# Altium PCB LAY-94611_B.PcbDoc (part 13 of 16)
Units mil, origin at the board's own origin, x right, y up, seen from the top; angles counter-clockwise.
Board outline 4133.86 x 2559.05 mil, 10 copper layers (TOP, GND02, ART03, PWR04, PWR05, ART06, GND7, ART08, GND09, BOTTOM), stack 57.82 mil thick; 1104 components, 727 nets, 3774 pads, 1630 vias.
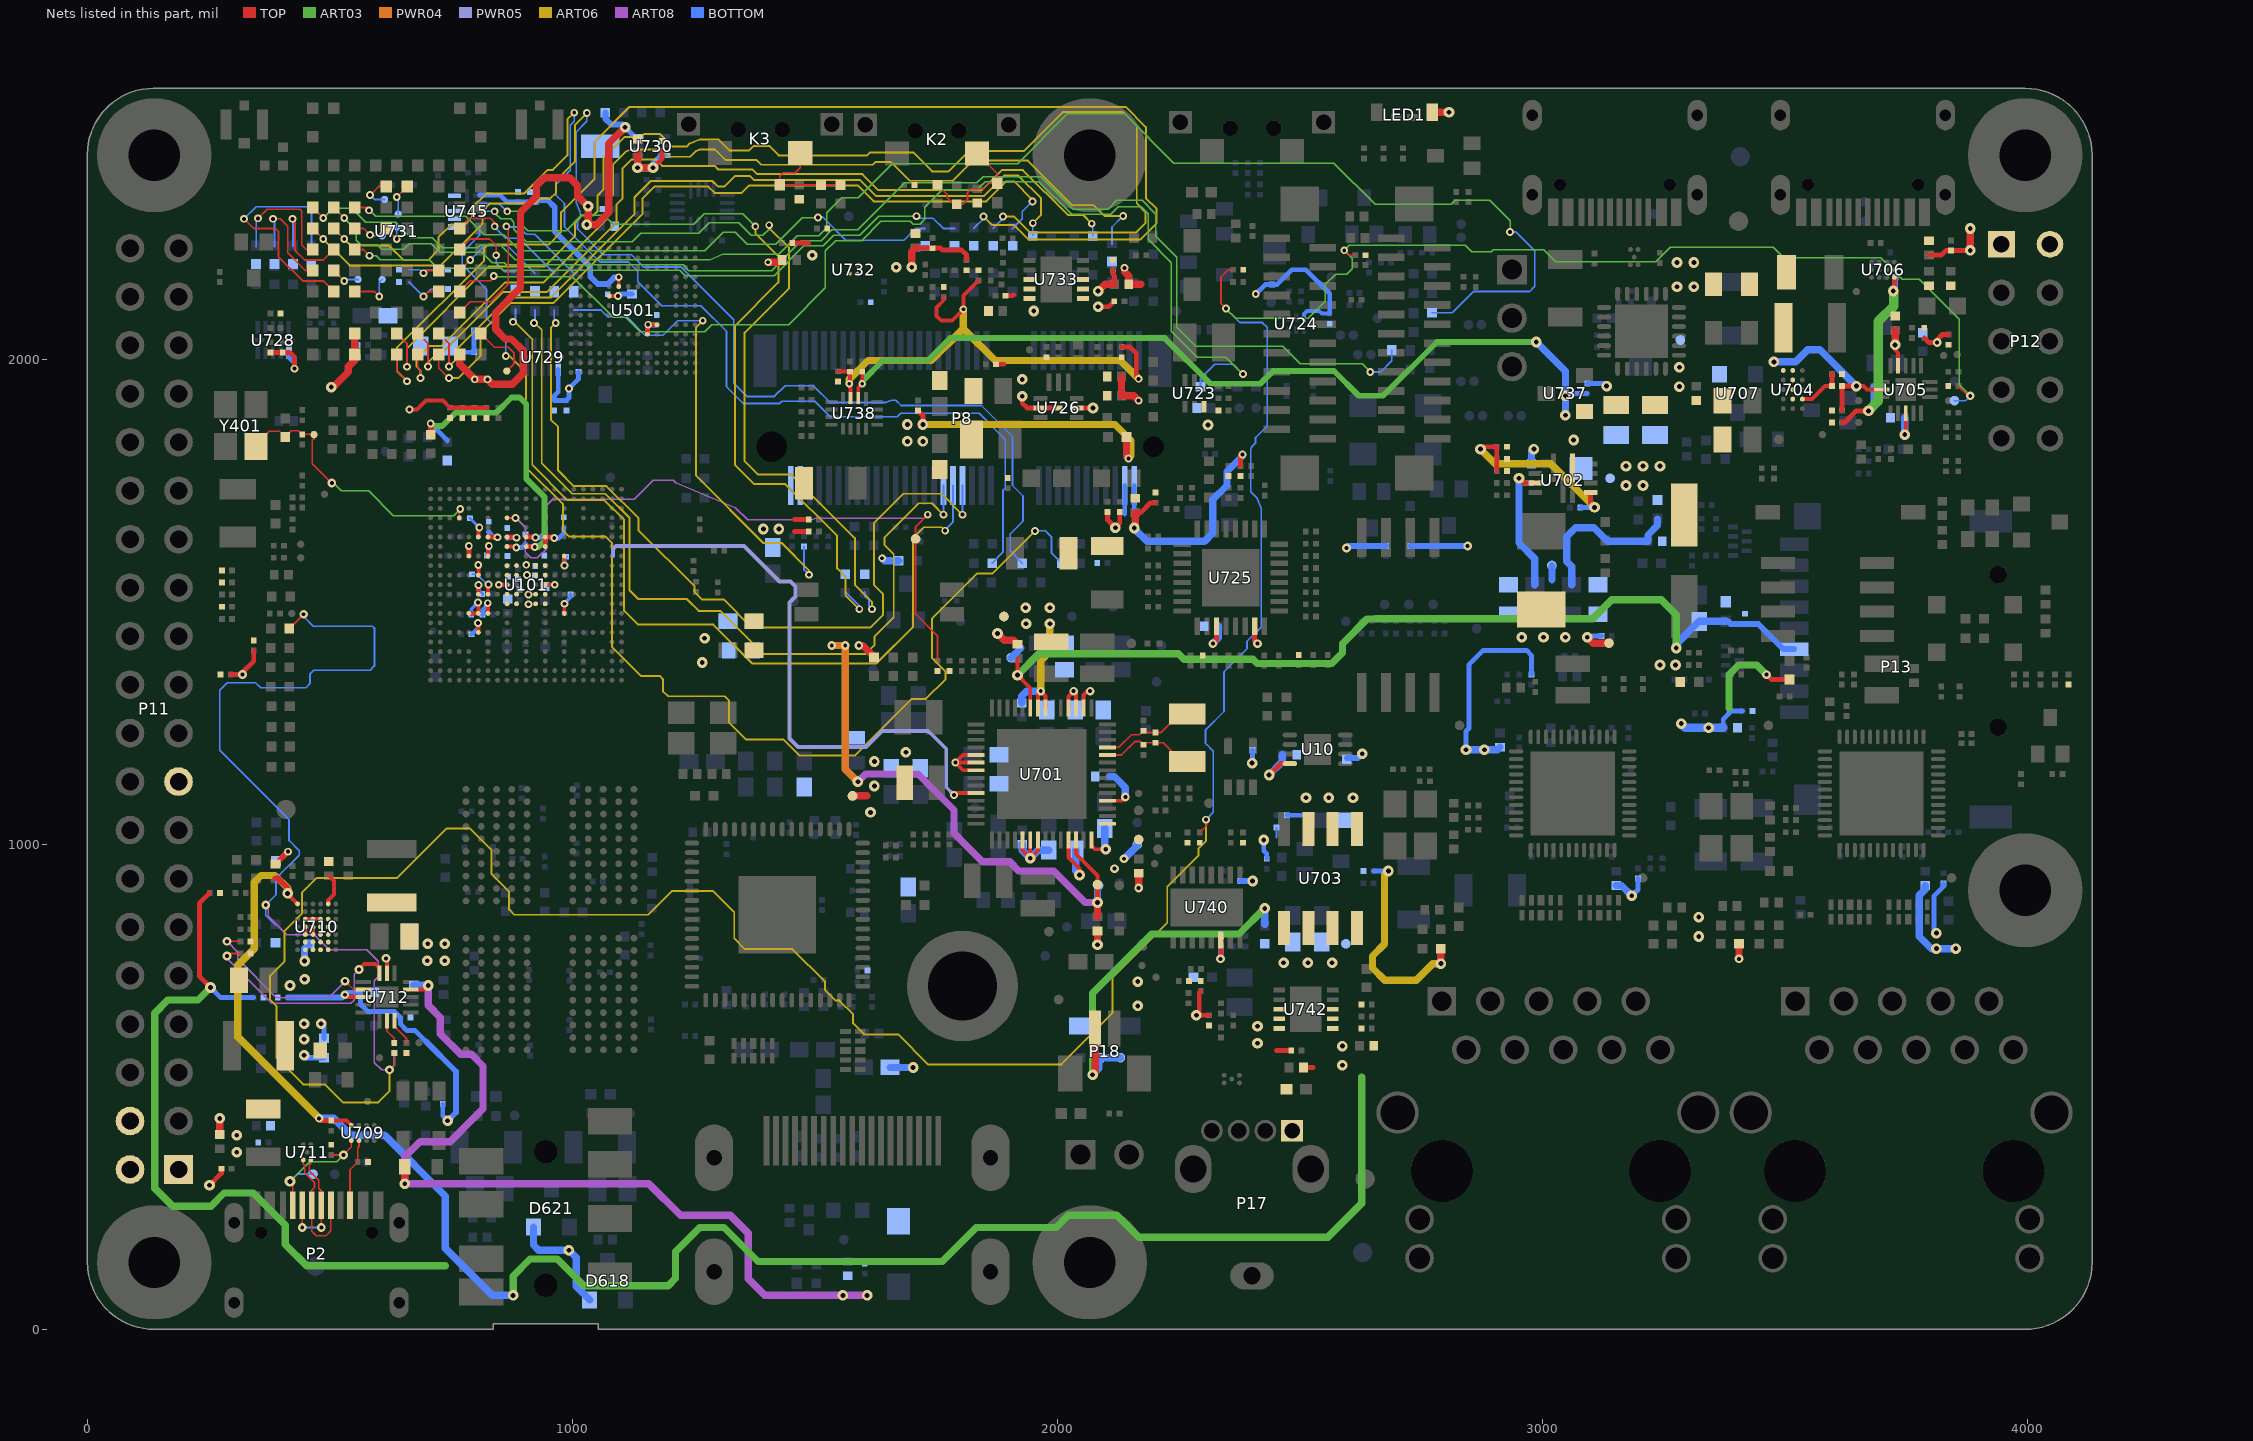
[diagram p21: the nets of this part, all layers, seen from the top]

## Via types
v1: diameter 16/16/0/0/0/0/16/0/16/16 (per signal layer), hole 8, TOP to BOTTOM, tented both sides, 177 vias
v2: diameter 22/22/0/0/0/0/22/0/22/22 (per signal layer), hole 10, TOP to BOTTOM, tented both sides, 156 vias
v3: diameter 16/0/16/0/0/0/0/0/0/16 (per signal layer), hole 8, TOP to BOTTOM, tented both sides, 137 vias
v4: diameter 16/0/0/0/0/16/0/0/0/16 (per signal layer), hole 8, TOP to BOTTOM, tented both sides, 94 vias
v5: diameter 16, hole 8, TOP to BOTTOM, tented both sides, 88 vias
v6: diameter 18/0/0/0/0/0/0/18/0/18 (per signal layer), hole 8, TOP to BOTTOM, tented both sides, 84 vias
v7: diameter 22, hole 10, TOP to BOTTOM, tented both sides, 83 vias
v8: diameter 18, hole 8.1, TOP to BOTTOM, tented both sides, 78 vias
v9: diameter 16/0/0/0/0/0/0/16/0/16 (per signal layer), hole 8, TOP to BOTTOM, tented both sides, 77 vias
v10: diameter 18/18/0/0/0/0/18/0/18/18 (per signal layer), hole 8, TOP to BOTTOM, tented both sides, 62 vias
v11: diameter 18/0/18/0/0/0/0/0/0/18 (per signal layer), hole 8, TOP to BOTTOM, tented both sides, 50 vias
v12: diameter 16/0/0/16/0/0/0/0/0/16 (per signal layer), hole 8, TOP to BOTTOM, tented both sides, 49 vias
v13: diameter 22/0/0/0/22/0/0/0/0/22 (per signal layer), hole 10, TOP to BOTTOM, tented both sides, 49 vias
v14: diameter 22/0/22/0/0/0/0/0/0/22 (per signal layer), hole 10, TOP to BOTTOM, tented both sides, 48 vias
v15: diameter 18, hole 8, TOP to BOTTOM, tented both sides, 47 vias
v16: diameter 16/0/0/0/16/0/0/0/0/16 (per signal layer), hole 8, TOP to BOTTOM, tented both sides, 40 vias
v17: diameter 22/0/0/22/0/0/0/0/0/22 (per signal layer), hole 10, TOP to BOTTOM, tented both sides, 40 vias
v18: diameter 22/0/0/0/0/0/0/22/0/22 (per signal layer), hole 10, TOP to BOTTOM, tented both sides, 31 vias
v19: diameter 22/0/0/0/0/22/0/0/0/22 (per signal layer), hole 10, TOP to BOTTOM, tented both sides, 30 vias
v20: diameter 18/0/0/0/0/18/0/0/0/18 (per signal layer), hole 8, TOP to BOTTOM, tented both sides, 27 vias
v21: diameter 16/16/16/0/0/0/0/0/0/16 (per signal layer), hole 8, TOP to BOTTOM, tented both sides, 24 vias
v22: diameter 16/0/16/0/0/16/0/0/0/16 (per signal layer), hole 8, TOP to BOTTOM, tented both sides, 14 vias
v23: diameter 22/22/0/22/0/0/22/0/22/22 (per signal layer), hole 10, TOP to BOTTOM, tented both sides, 14 vias
v24: diameter 16/16/16/0/0/0/16/0/16/16 (per signal layer), hole 8, TOP to BOTTOM, tented both sides, 11 vias
v25: diameter 18/0/0/0/0/18/0/18/0/18 (per signal layer), hole 8, TOP to BOTTOM, tented both sides, 11 vias
v26: diameter 18/0/0/18/0/0/0/0/0/18 (per signal layer), hole 8, TOP to BOTTOM, tented both sides, 11 vias
v27: diameter 18/0/0/0/18/0/0/0/0/18 (per signal layer), hole 8, TOP to BOTTOM, tented both sides, 10 vias
v28: diameter 16/0/16/0/0/0/0/16/0/16 (per signal layer), hole 8, TOP to BOTTOM, tented both sides, 8 vias
v29: diameter 16/16/0/16/0/0/16/0/16/16 (per signal layer), hole 8, TOP to BOTTOM, tented both sides, 8 vias
v30: diameter 18/18/0/18/0/0/18/0/18/18 (per signal layer), hole 8, TOP to BOTTOM, tented both sides, 6 vias
v31: diameter 22/0/0/0/22/22/0/0/0/22 (per signal layer), hole 10, TOP to BOTTOM, tented both sides, 6 vias
v32: diameter 16/0/16/16/0/0/0/0/0/16 (per signal layer), hole 8, TOP to BOTTOM, tented both sides, 5 vias
v33: diameter 18/18/0/18/18/0/18/0/18/18 (per signal layer), hole 8, TOP to BOTTOM, tented both sides, 5 vias
v34: diameter 16/0/0/0/0/16/0/16/0/16 (per signal layer), hole 8, TOP to BOTTOM, tented both sides, 4 vias
v35: diameter 22/0/22/22/0/0/0/0/0/22 (per signal layer), hole 10, TOP to BOTTOM, tented both sides, 4 vias
v36: diameter 16/0/16/16/0/16/0/0/0/16 (per signal layer), hole 8, TOP to BOTTOM, tented both sides, 3 vias
v37: diameter 22/22/0/0/22/0/22/0/22/22 (per signal layer), hole 10, TOP to BOTTOM, tented both sides, 3 vias
v38: diameter 22/0/0/22/22/22/0/0/0/22 (per signal layer), hole 10, TOP to BOTTOM, tented both sides, 3 vias
v39: diameter 22/0/22/0/0/22/0/0/0/22 (per signal layer), hole 10, TOP to BOTTOM, tented both sides, 3 vias
v40: diameter 22/0/22/0/0/0/0/22/0/22 (per signal layer), hole 10, TOP to BOTTOM, tented both sides, 3 vias
v41: diameter 16/0/16/0/16/0/0/0/0/16 (per signal layer), hole 8, TOP to BOTTOM, tented both sides, 3 vias
v42: diameter 22/22/0/22/22/0/22/0/22/22 (per signal layer), hole 10, TOP to BOTTOM, tented both sides, 2 vias
v43: diameter 18/0/18/0/0/0/0/18/0/18 (per signal layer), hole 8, TOP to BOTTOM, tented both sides, 2 vias
v44: diameter 22/0/0/22/0/22/0/0/0/22 (per signal layer), hole 10, TOP to BOTTOM, tented both sides, 2 vias
v45: diameter 22/0/0/0/0/22/0/22/0/22 (per signal layer), hole 10, TOP to BOTTOM, tented both sides, 2 vias
v46: diameter 22/0/22/0/22/0/0/0/0/22 (per signal layer), hole 10, TOP to BOTTOM, tented both sides, 2 vias
v47: diameter 22/0/0/22/22/0/0/0/0/22 (per signal layer), hole 10, TOP to BOTTOM, tented both sides, 2 vias
v48: diameter 16/0/0/16/0/16/0/0/0/16 (per signal layer), hole 8, TOP to BOTTOM, tented both sides, 1 vias
v49: diameter 18/0/18/0/0/18/0/0/0/18 (per signal layer), hole 8, TOP to BOTTOM, tented both sides, 1 vias
v50: diameter 18/18/0/0/18/0/18/0/18/18 (per signal layer), hole 8, TOP to BOTTOM, tented both sides, 1 vias
v51: diameter 16/16/0/16/16/0/16/0/16/16 (per signal layer), hole 8, TOP to BOTTOM, tented both sides, 1 vias
v52: diameter 18/0/18/0/18/0/0/0/0/18 (per signal layer), hole 8, TOP to BOTTOM, tented both sides, 1 vias
v53: diameter 18/0/0/0/18/18/0/0/0/18 (per signal layer), hole 8, TOP to BOTTOM, tented both sides, 1 vias
v54: diameter 22/0/22/0/22/22/0/22/0/22 (per signal layer), hole 10, TOP to BOTTOM, tented both sides, 1 vias
v55: diameter 22/0/0/0/22/22/0/22/0/22 (per signal layer), hole 10, TOP to BOTTOM, tented both sides, 1 vias
v56: diameter 16/16/16/0/0/0/16/0/0/16 (per signal layer), hole 8, TOP to BOTTOM, tented both sides, 1 vias
v57: diameter 22/0/0/22/0/0/0/22/0/22 (per signal layer), hole 10, TOP to BOTTOM, tented both sides, 1 vias
v58: diameter 16/0/0/0/16/16/0/0/0/16 (per signal layer), hole 8, TOP to BOTTOM, tented both sides, 1 vias
v59: diameter 16/0/0/16/16/0/0/0/0/16 (per signal layer), hole 8, TOP to BOTTOM, tented both sides, 1 vias

## Nets (pads, with @x,y where several pads share a name; then routed paths per layer and width w, separated by ;. In a path a pad name is that pad's centre, name@x,y a point inside that pad or via, vN(x,y) a via of type N, cw(c..) or ccw(c..) an arc to the next point about the centre after c; other vN are vias at no path point) (continued)
USB_I2C_SDA: R2644.2 R2663.2 R2664.2 R2670.2 R2741.1 R2744.1 R2922.1 R2935.2 R2992.2 TP1061.1 | length 8474.5
  TOP w3.62: R2992.2@416,1445.04 416.39,1445.04 v15(445.8,1474.45) ; v25(622.8,535) 632.8,545 632.8,569.49 ; 2293.8,1024.51 2307.8,1038.51 2307.8,1050 v4(2306.8,1051) ; v3(2347.8,2105) 2337.8,2115 2337.8,2170 2352.8,2185 2362.29,2185 ; v3(2591.8,2225) 2601.8,2215 2614.29,2215 ; 3858.31,1945 3878.31,1925 v11(3882.8,1925)
  ART03 w3.09: v3(2347.8,2105) 2367.8,2085 2517.8,2085 2552.8,2120 2552.8,2155 2573.8,2176 2596.8,2176 2608,2187.2 2608,2208.8 v3(2591.8,2225) 2591.8,2225.8 2602,2236 2840.99,2236 2854.99,2222 2894.8,2222 2898.8,2226 3002.8,2226 3027.8,2201 3233.8,2201 3263.8,2231 3476.8,2231 3497.8,2210 3697.8,2210 3742.8,2165 3777.8,2165 3860,2082.8 3860,1947.8 v11(3882.8,1925)
  ART06 w4: v25(622.8,535) 622.8,491 599.8,468 526.8,468 489.8,505 444.8,505 390.3,559.5 390.3,665.92 376.48,679.74 376.48,729.21 406.53,759.26 406.53,821.73 442.8,858 442.8,901 472.3,930.5 638.3,930.5 740.8,1033 788.36,1033 833.63,987.73 833.63,938.73 869.63,902.73 869.63,865.73 880.53,854.83 1156.64,854.83 1205.81,904 1289.8,904 1333.8,860 1333.8,806 1355.8,784 1453.8,784 1521.3,716.5 1521.3,699.5 1542.8,678 1550.8,678 1578.8,650 1578.8,631 1601.8,608 1671.8,608 1733.3,546.5 2008.3,546.5 2113.8,652 2113.8,725.01 2226.8,838.01 2226.8,913 2290.8,977 2290.8,991 2306.8,1007 v4(2306.8,1051)
  ART08 w3.09: v6(367.8,875) 372.8,870 372.8,852 410.8,814 467.8,814 498.8,783 575.8,783 599.8,759 599.8,727 591.8,719 591.8,550 606.8,535 v25(622.8,535)
  BOTTOM w3.62: 387.84,833.2 367.8,853.24 v6(367.8,875) 388.76,895.96 388.76,929.8 436.8,977.84 436.8,987 415.8,1008 415.8,1051 273,1193.8 273,1318 288.5,1333.5 346.5,1333.5 357,1323 450.8,1323 458.8,1331 458.8,1351 466.8,1359 582.8,1359 591.8,1368 591.8,1446 587.8,1450 465.8,1450 445.8,1470 v15(445.8,1474.45) ; v25(622.8,535) 633.31,545.51 R2935.2@633.31,570 ; v4(2306.8,1051) 2321.8,1066 2321.8,1192 2305.8,1208 2305.8,1236 2343.8,1274 2343.8,1356 2391.3,1403.5 2391.3,1418.5 2420.8,1448 2420.8,1692.77 2412.16,1713.63 2398.8,1726.99 2398.8,1813.93 2401.68,1820.88 2409,1828.2 2409,1839 2432.8,1862.8 2432.8,2066.19 2422.99,2076 2376.8,2076 v3(2347.8,2105) ; TP1061.1@3850,1915 3872.8,1915 v11(3882.8,1925)
USB_PD_VBUS_F: C843.1 D606.A F1.2 R2630.1 R2633.1 U704.B2 U704.C2 U704.D2 U704.E1 U704.E2 U705.15 | length 346.6
  TOP w8: v7(3647.8,1945) 3662.8,1945 3669.8,1938 U705.15@3700.59,1938
  TOP w10: 3618.31,1895 3618.31,1945 v7(3647.8,1945)
  BOTTOM w15: v7(3477.8,1995) 3522.8,1995 3547.8,2020 3572.8,2020 v7(3647.8,1945)
USBC1_DM: P2.A7 P2.B7 U711.A1 | length 236.2
  TOP w3.49: v15(442.91,210) P2.B7@442.91,255.71 ; U711.A1@460.67,349.25 460.67,341.67 457.2,338.2 457.2,326.8 476.84,307.16 476.84,291.17 482.28,285.73 P2.A7@482.28,255.71 v15(482.28,210)
  BOTTOM w3.49: v15(442.91,210) v15(482.28,210)
USBC1_DP: P2.A6 P2.B6 U711.A2 | length 258.8
  TOP w3.49: U711.A2@444.93,349.25 444.93,341.07 448.4,337.6 448.4,323.15 468.04,303.51 468.04,292.05 462.59,286.6 P2.A6@462.59,255.71 462.59,202.41 472,193 492,193 501.96,202.96 P2.B6@501.96,255.71
USBC_CC1: P2.A5 R2647.1 TP1033.1 U709.A1 | length 299.1
  TOP w3.62: v14(417.8,305) 423.22,299.58 P2.A5@423.22,255.71 ; 502.8,359.49 v11(527.8,359.49) 544.18,375.87 U709.A1@544.18,389.25
  ART03 w3.09: v14(417.8,305) 458.8,346 514.31,346 v11(527.8,359.49)
  BOTTOM w3.62: v14(417.8,305) 432.8,320 TP1033.1@465,320
USBC_CC2: P2.B5 R2648.1 U709.B1 | length 141.2
  TOP w3.62: P2.B5@541.33,255.71 541.33,329.04 557.29,345 557.29,374.49 559.93,377.13 U709.B1@559.93,389.25
USBC_EN_SNK1: R2933.1 U712.2 | length 385.8
  TOP w3.62: v6(287.8,800) 315.29,800 ; v6(531.3,718) 548.55,700.75 U712.2@568.59,700.75
  ART08 w3.09: v6(287.8,800) 309.8,778 309.8,764 389.8,684 497.3,684 v6(531.3,718)
USBC_EN_SRC1: R2656.1 U712.16 | length 466.6
  TOP w3.62: v6(287.8,770) 292.8,775 315.29,775
  TOP w8: v6(559.8,742) 570.8,753 594.05,753 602.05,745 U712.16@602.05,734.21
  ART08 w3.09: v6(287.8,770) 287.8,764 379.8,672 542.8,672 549.8,679 549.8,732 v6(559.8,742)
USBC_I2C_SCL: R2662.1 U712.8 | length 55.3
  TOP w3.62: U712.8@633.55,635.79 633.55,624.24 657.8,599.99 657.8,590.51
USBC_I2C_SDA: R2663.1 U712.7 | length 51.5
  TOP w3.62: U712.7@617.8,635.79 617.8,614.99 632.8,599.99 632.8,590.51
USBC_VBUS_F: C853.1 D607.A F2.2 R2651.1 R2652.1 R2653.1 U710.C2 U710.C3 U710.C4 U710.C5 U710.D4 U710.D5 U710.E4 U710.E5 U710.F4 U710.F5 U710.G4 U710.G5 U712.15 | length 139
  TOP w8: U710.C2@449.18,845.75 U710.C3@464.93,845.75 U710.C4@480.67,845.75 ; v20(615.8,765) 617.8,763 U712.15@617.8,734.21
  BOTTOM w10: v19(481.8,630) 488,623.8 R2652.1@488,599.96
  BOTTOM w12: v19(446.8,565) 451.84,559.96 R2651.1@488,559.96
  other v19: 446.8,598 446.8,630 3277.8,2150 3312.8,2150 3277.8,2200 3312.8,2200
USER_BTN1: C835.1 D604.1 K2.3 R2608.1 R2611.1 | length 248.7
  TOP w3.62: R2611.1@1752.88,2360.14 1772.8,2340.22 1772.8,2334 1786.6,2320.2 R2608.1@1792.76,2320.2 1805.2,2320.2 1815,2330 1815,2345 1821.96,2351.96 1835,2351.96 1846.96,2351.96 1858.2,2363.2 D604.1@1876,2363.2 1876,2383.47 K2.3@1834.65,2424.82
USER_BTN2: C836.1 D605.1 K3.3 R2610.1 R2612.1 | length 223.3
  TOP w3.62: K3.3@1470.02,2426.01 1470.02,2395.02 1460,2385 1435,2385 1427.8,2377.8 D605.1@1427.8,2360 1428.04,2359.76 1467.8,2359.76 1467.84,2359.8 R2612.1@1512.84,2359.8 R2610.1@1552.84,2359.8
VBBS: C1036.1 U740.14 | length 65.2
  TOP w10: v15(2336.8,764) 2337.33,764.53 U740.14@2337.33,803.07
  BOTTOM w12: v15(2336.8,764) 2337.8,765 2337.8,789.49
VBUS1_DET_3V3: R301.1 U101.F12 | length 20.9
  TOP w8: v12(805.98,1576.04) 806.17,1575.85 U101.F12@806.17,1555.18
VBUS2_DET_3V3: R304.1 U101.E14 | length 20.9
  TOP w10: U101.E14@786.49,1594.55 v12(786.48,1615.44)
VBUS_IN: C820.1 C821.1 C823.1 C824.1 C825.1 C842.1 C1016.1 R2598.2 R2631.2 R2632.2 R2939.2 R2940.2 TP917.1 TP1030.1 U702.1 | length 32
  BOTTOM w15: C825.1@2978.04,1785 2978.04,1810.24 v2(2982.8,1815)
  other v7: 3064.8,1834
  other v13: 700.8,760 736.8,760 701.8,795 736.8,795 3172.8,1740 3207.8,1740 3172.8,1780 3207.8,1780 3242.8,1780
VBUS_OVLO_TH: R2630.2 R2635.1 U704.B3 | length 96.9
  TOP w8: U704.B3@3536.49,1918.31 3556.12,1918.31 3582.81,1945 3597.29,1945
  TOP w10: 3597.29,1945 3597.29,1970
VBUS_USB2_5V: C1029.1 C1030.1 D626.1 P17.1 U742.8 U742.9 U742.10 | length 50.8
  TOP w10: 2451.8,575.25 2482.04,575.25 C1030.1@2482.29,575 ; C1029.1@2507.56,540 2527.8,540
VCC_3V3_DEBUG: C999.1 C1000.1 U737.1 U738.2 | length 1871.4
  TOP w8: U738.2@1589.61,1920.43 1589.61,1941.81 v3(1597.8,1950) C999.1@1597.8,1974.49
  ART03 w12: v3(1597.8,1950) 1597.8,1955 1640.8,1998 1732.8,1998 1778.8,2044 2221.8,2044 2315.8,1950 2418.8,1950 2445.1,1976.3 2570.5,1976.3 2621.8,1925 2671.8,1925 2782.8,2036 v14(2987.8,2036)
  BOTTOM w10: v7(3047.8,1925) 3052.29,1929.49 3092.8,1929.49 ; C1000.1@3092.8,1950.51 3127.29,1950.51 v23(3132.8,1945)
  BOTTOM w15: v14(2987.8,2036) 3047.8,1976 v7(3047.8,1925) v7(3047.8,1885)
VCC_3V6: C834.1 R2604.1 R2605.2 R2947.1 U702.9 | length 433.5
  TOP w10: v19(2872.8,1815) 2877.8,1820 2906.29,1820 2906.29,1795 2906.29,1770 ; U702.9@3099.89,1725.47 3099.89,1702.91 v19(3107.8,1695)
  ART06 w15: v19(2872.8,1815) 2902.8,1785 3017.8,1785 v19(3107.8,1695)
  BOTTOM w10: C834.1@3078.31,1695 v19(3107.8,1695)
VDD_3V3: C118.1 C119.1 C155.1 C501.1 C502.1 C503.1 C714.1 C715.1 C724.2 C815.2 C846.1 C855.1 C921.1 C925.1 C935.1 C936.1 C939.1 C940.1 C966.1 C967.1 C982.1 C983.1 C998.1 C1041.1 C1042.1 D618.2 D621.2 FB17.1 FB18.1 FB20.1 FB21.1 FB23.1 FB24.1 FB28.1 L704.2 P12.1 R145.1 R605.1 R705.1 R816.1 R2581.1 R2582.1 R2583.1 R2584.1 R2614.1 R2622.1 R2638.1 R2642.1 R2650.1 R2659.1 R2661.1 R2665.1 R2669.1 R2674.1 R2675.2 R2676.1 R2677.2 R2680.1 R2681.1 R2699.2 R2700.1 R2701.1 R2729.2 R2746.1 R2747.1 R2758.1 R2785.1 R2887.1 R2891.1 R2916.2 R2918.1 R2925.1 R2951.2 R2957.1 R2958.1 R2967.1 R2982.2 R2983.2 R2985.2 R2986.2 R2994.2 R2995.2 R3057.1 R3058.1 R3059.1 TP706.1 TP1089.1 U10.8 U101.G10 U101.L16 U101.N15 U101.N16 U501.E6 U501.F5 U501.J10 U501.K9 U701.21 U701.22 U705.3 U712.3 U724.6 U725.27 U725.31 U728.1 U729.1 U732.A2 U738.3 U745.1 | length 7835.2
  TOP w8: v15(530.8,690) 535.8,685 U712.3@568.59,685 ; v16(664.3,1897) 679.8,1897 697.8,1915 733.31,1915 747.8,1900.51 ; U101.G10@825.86,1515.8 825.86,1535.14 v16(826.8,1536.08) ; U501.J10@1075.97,2130.77 v41(1094.35,2130.77) ; U501.K9@1095.65,2150.45 v41(1095.65,2169.76) ; 1547.8,1975.51 1571.78,1975.51 C998.1@1572.8,1974.49 1572.8,1951.93 v58(1570.87,1950) 1573.86,1947.01 U738.3@1573.86,1920.43 ; 1765.8,2128.49 1765.8,2122 1750.8,2107 1750.8,2090 1760.8,2080 1783.3,2080 1806.3,2103 v4(1806.3,2103.5) 1806.3,2131.49 1837.8,2162.99 ; U701.22@1959.93,1280.83 1959.93,1309.13 1965.8,1315 v20(1965.8,1316) 1975.67,1306.13 U701.21@1975.67,1280.83 ; v13(3747.56,1845) 3749.8,1847.24 U705.3@3749.8,1888.79
  TOP w10: 252.29,900 230.8,878.51 230.8,728 v14(253.8,705) ; 295.51,1350 319.29,1350 v27(319.8,1350.51) 319.8,1354.79 342.8,1377.79 342.8,1399.49 ; C935.1@377.8,2014.49 C936.1@402.8,2014.49 417.3,2014.49 427.3,2004.49 427.3,1981.5 v16(426.8,1981) ; 747.8,1900.51 772.8,1900.51 797.8,1900.51 822.8,1900.51 ; U101.L16@904.6,1633.92 923.1,1633.92 v16(924.05,1632.97) ; U101.N15@943.97,1614.23 U101.N16@943.97,1633.92 960.67,1633.92 v16(962.53,1632.06) ; U501.E6@1154.71,2052.03 1154.71,2070.19 v41(1156.23,2071.71) U501.F5@1174.39,2071.71 ; C967.1@1453.31,2240 1486.8,2240 ; 2132.8,2025.51 2150.28,2025.51 2162.8,2012.99 2162.8,1965 v4(2167.8,1960) ; 2295.8,697.49 2292.8,694.49 2292.8,653.51 v46(2286.8,647.51) 2312.8,647.51 ; v27(2320.8,1414) 2328.27,1421.47 U725.27@2328.27,1449.61 ; U725.31@2407.01,1449.61 2407.01,1419.79 v27(2412.8,1414) ; v13(2436.8,1143) 2460.27,1166.47 U10.8@2479.71,1166.47 ; v52(3462.43,1350) 3472.23,1340.2 R2925.1@3509.96,1340.2 ; 3787.8,2044.49 3797.29,2035 v27(3814.5,2035) 3815,2035.5 3815,2041.01 3825.5,2051.51 3837.8,2051.51
  TOP w15: v1(1403.8,2200.5) 1428.54,2200.5 C966.1@1433.04,2205 ; v19(2791,753.99) R2951.2@2791,785.04 ; v53(3406,764) R2699.2@3406,795.04
  ART03 w15: v14(253.8,705) 227.8,679 165.8,679 138.8,652 138.8,291 175.8,254 254.8,254 281.8,281 342,281 408,215 408,175 452,131 737.8,131 ; 3385,1280 3385,1350 3405,1370 3442.43,1370 v52(3462.43,1350)
  ART06 w15: v58(1570.87,1950) 1570.87,1959.08 1609.79,1998 1740.8,1998 1806.3,2063.5 ; v4(1806.3,2103.5) 1806.3,2063.5 ; v20(1965.8,1316) 1965.8,1378.8 1984.68,1397.68 v31(1984.68,1454.88) ; v4(2167.8,1960) 2129.8,1998 1871.8,1998 1806.3,2063.5 ; v31(2682.8,945) 2675,937.2 2675,795 2650,770 2650,745 2675,720 2740.01,720 2774,753.99 v19(2791,753.99)
  BOTTOM w3.62: C118.1@793.31,1557 803,1557 823.92,1536.08 v16(826.8,1536.08)
  BOTTOM w8: U724.6@2508.71,2085.87 2508.71,2093.71 2515,2100 2540.01,2100 2545.52,2094.49 2561.8,2094.49
  BOTTOM w10: v14(253.8,705) 274.8,684 342.29,684 ; U728.1@415.87,2014.21 415.87,2003.93 426.8,1993 v16(426.8,1981) ; v15(530.8,690) 535.8,695 563.04,695 563.04,670.76 578.8,655 633.29,655 645.29,643 645.29,629.71 659,616 675.8,616 697.8,594 ; R2650.1@732.8,464.49 732.8,440 v14(742.8,430) ; 808.59,2339.07 833.79,2339.07 834.29,2338.57 851.24,2338.57 865.32,2324.49 887.8,2324.49 912.8,2324.49 ; v16(924.05,1632.97) 933.79,1632.97 943.8,1642.98 943.8,1653.49 ; v16(962.53,1632.06) 972.73,1632.06 982.3,1641.63 982.3,1653.49 ; U729.1@970.87,1979.21 970.87,1933.06 962.8,1924.99 962.8,1915.51 987.8,1915.51 992.8,1920.51 v16(992.8,1940) 1012.8,1960 R2958.1@1012.8,1974.49 ; v41(1094.35,2130.77) 1098.34,2134.76 C501.1@1122.8,2134.76 ; v41(1156.23,2071.71) 1156.97,2070.97 1173.85,2070.97 ; v13(2401.8,1167.5) 2402.8,1168.5 R145.1@2402.8,1194.49 ; v16(2409.26,2135) 2428.75,2154.49 R2622.1@2442.8,2154.49 2452.99,2154.49 2483.5,2185 2512.8,2185 2561.8,2136 2561.8,2094.49 ; 2652.31,945 v31(2682.8,945) ; v14(2842.8,1195) 2842.8,1233 2848.8,1239 2848.8,1370 2878.8,1400 2967.8,1400 2977.8,1390 R2680.1@2977.8,1350.51 ; v19(3184.8,894) 3197.8,907 R2681.1@3197.8,929.49 ; 3373.28,1240.51 3373.28,1258.28 3390,1275 3412.92,1275 ; v31(3812.8,817) 3807.8,822 3807.8,893.3 3827.8,913.3 R2701.1@3827.8,919.49
  BOTTOM w12: 413.31,684 524.8,684 v15(530.8,690) ; 697.8,594 760,531.8 760,447.2 v14(742.8,430) ; 912.8,2324.49 927.28,2324.49 931.81,2329.02 948.79,2329.02 963.8,2314.01 963.8,2264 1036.8,2191 1036.8,2171 1052.29,2155.51 1072.8,2155.51 1086.05,2168.76 1094.65,2168.76 v41(1095.65,2169.76) ; v27(2596.29,1611.21) 2600.59,1615.51 R2581.1@2627.8,1615.51 R2582.1@2677.8,1615.51 ; R816.1@2596.76,1177.8 2619.6,1177.8 v7(2628.8,1187) ; R2583.1@2727.8,1615.51 R2584.1@2777.8,1615.51 v27(2846.31,1615.51)
  BOTTOM w15: D621.2@919.8,210.5 919.8,174 930.8,163 v14(992.8,163) 1007.8,148 1007.8,88.5 D618.2@1035.8,60.5 ; FB23.1@1654.8,540 v14(1702.8,540) ; TP1089.1@1905,1385 1925,1405 ; C724.2@1926.8,1291.76 1926.8,1306 1936.8,1316 v20(1965.8,1316) ; v27(2320.8,1414) 2332.56,1425.76 2332.56,1450 ; v13(2436.8,1143) 2464.04,1170.24 2464.04,1185 ; v14(2842.8,1195) v14(2880.8,1195) 2907.56,1195 FB17.1@2912.8,1200.24 ; FB18.1@3152.8,915.24 3163.56,915.24 v19(3184.8,894) ; v13(3747.56,1845) 3747.56,1880 ; FB21.1@3789.8,915.24 3789.8,907 3777.8,895 3777.8,810 3802.84,784.96 v31(3812.8,784.96) v31(3852.8,785) v31(3852.8,785)
  BOTTOM w18: v55(3286.8,1249) 3295.29,1240.51 v54(3343.13,1240.51) 3373.28,1240.51
  other v13: 1935.68,1454.88 1934.68,1487.88 1984.68,1487.88
  other v14: 1494.8,2215
VDD_5V: C839.1 C840.1 C847.2 C856.2 C911.1 C912.1 C917.1 C927.1 C928.1 C976.1 C977.1 C984.1 C985.1 C1019.2 C1027.1 C1028.1 D624.A LED1.1 P12.2 R2734.2 R2786.1 R2924.2 R2969.1 R3055.1 TP1038.1 U703.5 U703.6 U703.7 U703.8 U705.12 U712.12 U722.1 U723.3 U726.8 U726.11 U733.1 U733.2 U733.3 U742.1 U742.2 U742.3 | length 2346.5
  TOP w8: U712.12@667.01,700.75 694.55,700.75 v18(702.8,709) ; v38(3727.8,2030) 3727.8,2020.01 3734.05,2013.76 U705.12@3734.05,1987.21
  TOP w10: C927.1@1873.31,1990 1889.8,1990 ; v13(1927.8,1924) 1927.8,1910 1937.8,1900 U726.8@1965.4,1900 U726.11@2002.8,1900 ; v13(2084.29,2108.82) 2106.11,2108.82 C977.1@2117.29,2120 ; 2115,2184.49 2115,2175 2118.04,2171.96 2118.04,2155 ; 3797.8,2215.24 3822.8,2215.24 3832.05,2224.49 C985.1@3842.8,2224.49 3882.29,2224.49 v38(3882.8,2225)
  TOP w15: v18(654.34,300) D624.A@654.34,335.2 ; v13(2084.29,2140.82) 2098.47,2155 2118.04,2155 ; v1(2138.72,2188.98) 2138.72,2181.08 2147.56,2172.24 C976.1@2147.56,2155 2172.8,2155 ; LED1.1@2772.89,2509.8 v13(2807.8,2509.8) ; v38(3727.8,2030) 3727.8,2060.24 ; v38(3882.8,2225) v38(3882.8,2270)
  ART08 w15: v18(702.8,709) 702.8,668 727.8,643 727.8,609 769.8,567 791.8,567 815.8,543 815.8,455 747.8,387 685.8,387 654.34,355.54 v18(654.34,300) 1157.8,300 1222.8,235 1325.8,235 1362.8,198 1362.8,104 1396.8,70 v18(1557.8,70) v18(1607.8,70)

## Text inside footprints (layer, text, board x,y; h text height)
R2675: Bottom Pin Number "2" at 388.11,691.09 h15 r180; Bottom Pin Number "1" at 409.13,691.09 h15 r180
R2676: Top Pin Number "2" at 765.71,1904.69 h15 r270; Top Pin Number "1" at 765.71,1883.67 h15 r270
R2677: Bottom Pin Number "2" at 367.49,676.91 h15; Bottom Pin Number "1" at 346.47,676.91 h15
R2678: Top Pin Number "2" at 3234.6,840.36 h15 r180; Top Pin Number "1" at 3269.38,840.36 h15 r180
R2679: Top Pin Number "2" at 2786,817.54 h15; Top Pin Number "1" at 2751.21,817.54 h15
R2680: Bottom Pin Number "2" at 2970.71,1325.31 h15 r270; Bottom Pin Number "1" at 2970.71,1346.33 h15 r270
R2681: Bottom Pin Number "2" at 3204.89,954.69 h15 r90; Bottom Pin Number "1" at 3204.89,933.67 h15 r90
R2682: Top Pin Number "2" at 2843.11,1047.91 h15; Top Pin Number "1" at 2864.13,1047.91 h15
R2683: Top Pin Number "2" at 2843.11,1022.91 h15; Top Pin Number "1" at 2864.13,1022.91 h15
R2684: Top Pin Number "2" at 2872.49,1087.09 h15 r180; Top Pin Number "1" at 2851.47,1087.09 h15 r180
R2685: Top Pin Number "2" at 2820.34,836.8 h15 r270; Top Pin Number "1" at 2820.34,871.59 h15 r270
R2686: Top Pin Number "2" at 2742.11,1147.91 h15; Top Pin Number "1" at 2763.13,1147.91 h15
R2687: Top Pin Number "2" at 2772.49,1137.09 h15 r180; Top Pin Number "1" at 2751.47,1137.09 h15 r180
R2688: Top Pin Number "2" at 2992.89,1310.31 h15 r90; Top Pin Number "1" at 2992.89,1331.33 h15 r90
R2689: Top Pin Number "2" at 3134.85,1316.02 h15 r90; Top Pin Number "1" at 3134.85,1337.04 h15 r90
R2690: Top Pin Number "2" at 3174.85,1316.02 h15 r90; Top Pin Number "1" at 3174.85,1337.04 h15 r90
R2691: Bottom Pin Number "2" at 3272.34,1044.2 h15 r90; Bottom Pin Number "1" at 3272.34,1078.98 h15 r90
R2692: Bottom Pin Number "2" at 3268.11,1347.09 h15 r180; Bottom Pin Number "1" at 3289.13,1347.09 h15 r180
R2693: Bottom Pin Number "2" at 3170.71,1215.31 h15 r270; Bottom Pin Number "1" at 3170.71,1236.33 h15 r270
R2694: Bottom Pin Number "2" at 3175.71,1150.31 h15 r270; Bottom Pin Number "1" at 3175.71,1171.33 h15 r270
R2695: Bottom Pin Number "2" at 2932.49,1287.91 h15; Bottom Pin Number "1" at 2911.47,1287.91 h15
R2696: Top Pin Number "2" at 3214.85,1316.02 h15 r90; Top Pin Number "1" at 3214.85,1337.04 h15 r90
R2697: Bottom Pin Number "2" at 2959.89,1224.69 h15 r90; Bottom Pin Number "1" at 2959.89,1203.67 h15 r90
R2698: Top Pin Number "2" at 3455.26,828.2 h15 r90; Top Pin Number "1" at 3455.26,793.41 h15 r90
R2699: Top Pin Number "2" at 3401,787.54 h15; Top Pin Number "1" at 3366.21,787.54 h15
R2700: Bottom Pin Number "2" at 3408.74,1282.09 h15 r180; Bottom Pin Number "1" at 3429.76,1282.09 h15 r180
R2701: Bottom Pin Number "2" at 3834.89,944.69 h15 r90; Bottom Pin Number "1" at 3834.89,923.67 h15 r90
R2702: Top Pin Number "2" at 3498.11,1042.91 h15; Top Pin Number "1" at 3519.13,1042.91 h15
R2703: Top Pin Number "2" at 3498.11,1017.91 h15; Top Pin Number "1" at 3519.13,1017.91 h15
R2704: Top Pin Number "2" at 3527.49,1082.09 h15 r180; Top Pin Number "1" at 3506.47,1082.09 h15 r180
R2705: Top Pin Number "2" at 3474.6,952.46 h15 r180; Top Pin Number "1" at 3509.38,952.46 h15 r180
R2706: Top Pin Number "2" at 3514.69,1312.09 h15 r180; Top Pin Number "1" at 3493.67,1312.09 h15 r180
R2707: Top Pin Number "2" at 3394.11,1141.91 h15; Top Pin Number "1" at 3415.13,1141.91 h15
R2708: Top Pin Number "2" at 3634.89,1260.31 h15 r90; Top Pin Number "1" at 3634.89,1281.33 h15 r90
R2709: Top Pin Number "2" at 3424.49,1132.09 h15 r180; Top Pin Number "1" at 3403.47,1132.09 h15 r180
R2710: Top Pin Number "2" at 4004.89,1325.31 h15 r90; Top Pin Number "1" at 4004.89,1346.33 h15 r90
R2711: Top Pin Number "2" at 3979.89,1325.31 h15 r90; Top Pin Number "1" at 3979.89,1346.33 h15 r90
R2712: Top Pin Number "2" at 4034.89,1325.31 h15 r90; Top Pin Number "1" at 4034.89,1346.33 h15 r90
R2713: Bottom Pin Number "2" at 3830.26,877.8 h15 r270; Bottom Pin Number "1" at 3830.26,843.02 h15 r270
R2714: Top Pin Number "2" at 3860.31,1220.41 h15; Top Pin Number "1" at 3881.33,1220.41 h15
R2715: Top Pin Number "2" at 3860.31,1201.41 h15; Top Pin Number "1" at 3881.33,1201.41 h15
R2716: Top Pin Number "2" at 3980.2,1149.18 h15 r270; Top Pin Number "1" at 3980.2,1128.16 h15 r270
R2717: Bottom Pin Number "2" at 3339.69,1262.91 h15; Bottom Pin Number "1" at 3318.67,1262.91 h15
R2718: Top Pin Number "2" at 4064.89,1325.31 h15 r90; Top Pin Number "1" at 4064.89,1346.33 h15 r90
R2719: Bottom Pin Number "2" at 3450.31,1157.09 h15 r180; Bottom Pin Number "1" at 3471.33,1157.09 h15 r180
R2720: Top Pin Number "2" at 1275.34,561.8 h15 r270; Top Pin Number "1" at 1275.34,596.59 h15 r270
R2721: Top Pin Number "2" at 1721,867.54 h15; Top Pin Number "1" at 1686.21,867.54 h15
R2722: Top Pin Number "2" at 1721,907.54 h15; Top Pin Number "1" at 1686.21,907.54 h15
R2724: Bottom Pin Number "2" at 1507.91,860.31 h15 r270; Bottom Pin Number "1" at 1507.91,881.33 h15 r270
R2725: Top Pin Number "2" at 1642.11,990.91 h15; Top Pin Number "1" at 1663.13,990.91 h15
R2726: Bottom Pin Number "2" at 1650.11,1008.09 h15 r180; Bottom Pin Number "1" at 1671.13,1008.09 h15 r180
R2727: Bottom Pin Number "2" at 1610.71,660.31 h15 r270; Bottom Pin Number "1" at 1610.71,681.33 h15 r270
R2728: Top Pin Number "2" at 1286,1092.54 h15; Top Pin Number "1" at 1251.21,1092.54 h15
R2729: Bottom Pin Number "2" at 1612.49,732.91 h15; Bottom Pin Number "1" at 1591.47,732.91 h15
R2730: Bottom Pin Number "2" at 1540.26,387.8 h15 r270; Bottom Pin Number "1" at 1540.26,353.02 h15 r270
R2731: Bottom Pin Number "2" at 1612.49,757.91 h15; Bottom Pin Number "1" at 1591.47,757.91 h15
R2732: Bottom Pin Number "2" at 1500.26,387.8 h15 r270; Bottom Pin Number "1" at 1500.26,353.02 h15 r270
R2733: Bottom Pin Number "2" at 1495.26,127.8 h15 r270; Bottom Pin Number "1" at 1495.26,93.02 h15 r270
R2734: Top Pin Number "2" at 2328.11,1887.91 h15; Top Pin Number "1" at 2349.13,1887.91 h15
R2735: Top Pin Number "2" at 2190.34,1961.8 h15 r270; Top Pin Number "1" at 2190.34,1996.59 h15 r270
R2736: Top Pin Number "2" at 2190.34,1886.8 h15 r270; Top Pin Number "1" at 2190.34,1921.59 h15 r270
R2738: Bottom Pin Number "2" at 2484.89,2144.69 h15 r90; Bottom Pin Number "1" at 2484.89,2123.67 h15 r90
R2739: Top Pin Number "2" at 2631.49,2130.09 h15 r180; Top Pin Number "1" at 2610.47,2130.09 h15 r180
R2740: Bottom Pin Number "2" at 2479.89,1949.69 h15 r90; Bottom Pin Number "1" at 2479.89,1928.67 h15 r90
R2741: Top Pin Number "2" at 2358.11,2177.91 h15; Top Pin Number "1" at 2379.13,2177.91 h15
R2742: Top Pin Number "2" at 2358.11,2152.91 h15; Top Pin Number "1" at 2379.13,2152.91 h15
R2743: Top Pin Number "2" at 2610.11,2187.91 h15; Top Pin Number "1" at 2631.13,2187.91 h15
R2744: Top Pin Number "2" at 2610.11,2207.91 h15; Top Pin Number "1" at 2631.13,2207.91 h15
R2745: Bottom Pin Number "2" at 2509.89,2144.69 h15 r90; Bottom Pin Number "1" at 2509.89,2123.67 h15 r90
R2746: Top Pin Number "2" at 2504.89,1365.31 h15 r90; Top Pin Number "1" at 2504.89,1386.33 h15 r90
R2747: Top Pin Number "2" at 2306.89,1364.31 h15 r90; Top Pin Number "1" at 2306.89,1385.33 h15 r90
R2748: Top Pin Number "2" at 2508.11,1462.91 h15; Top Pin Number "1" at 2529.13,1462.91 h15
R2749: Top Pin Number "2" at 2508.11,1512.91 h15; Top Pin Number "1" at 2529.13,1512.91 h15
R2750: Top Pin Number "2" at 2508.11,1487.91 h15; Top Pin Number "1" at 2529.13,1487.91 h15
R2751: Top Pin Number "2" at 2508.11,1537.91 h15; Top Pin Number "1" at 2529.13,1537.91 h15
R2752: Top Pin Number "2" at 2508.11,1587.91 h15; Top Pin Number "1" at 2529.13,1587.91 h15
R2753: Top Pin Number "2" at 2281.89,1364.31 h15 r90; Top Pin Number "1" at 2281.89,1385.33 h15 r90
R2754: Top Pin Number "2" at 2534.89,1365.31 h15 r90; Top Pin Number "1" at 2534.89,1386.33 h15 r90
R2755: Top Pin Number "2" at 2508.11,1612.91 h15; Top Pin Number "1" at 2529.13,1612.91 h15
R2756: Top Pin Number "2" at 2564.89,1365.31 h15 r90; Top Pin Number "1" at 2564.89,1386.33 h15 r90
R2757: Top Pin Number "2" at 2434.89,1715.31 h15 r90; Top Pin Number "1" at 2434.89,1736.33 h15 r90
R2758: Top Pin Number "2" at 2345.71,1784.69 h15 r270; Top Pin Number "1" at 2345.71,1763.67 h15 r270
R2759: Top Pin Number "2" at 2384.89,1710.31 h15 r90; Top Pin Number "1" at 2384.89,1731.33 h15 r90
R2760: Top Pin Number "2" at 2359.89,1710.31 h15 r90; Top Pin Number "1" at 2359.89,1731.33 h15 r90
R2761: Top Pin Number "2" at 2433.89,1364.31 h15 r90; Top Pin Number "1" at 2433.89,1385.33 h15 r90
R2762: Top Pin Number "2" at 2284.89,1710.31 h15 r90; Top Pin Number "1" at 2284.89,1731.33 h15 r90
R2763: Top Pin Number "2" at 2384.89,1364.31 h15 r90; Top Pin Number "1" at 2384.89,1385.33 h15 r90
R2764: Top Pin Number "2" at 2320.26,1748.2 h15 r90; Top Pin Number "1" at 2320.26,1713.41 h15 r90
R2766: Top Pin Number "2" at 2250.15,1698.85 h15 r180; Top Pin Number "1" at 2229.13,1698.85 h15 r180
R2767: Top Pin Number "2" at 2359.89,1364.31 h15 r90; Top Pin Number "1" at 2359.89,1385.33 h15 r90
R2768: Top Pin Number "2" at 2320.26,1823.2 h15 r90; Top Pin Number "1" at 2320.26,1788.41 h15 r90
R2769: Top Pin Number "2" at 2463.89,1364.31 h15 r90; Top Pin Number "1" at 2463.89,1385.33 h15 r90
R2770: Top Pin Number "2" at 2212.49,1642.09 h15 r180; Top Pin Number "1" at 2191.47,1642.09 h15 r180
R2771: Top Pin Number "2" at 2212.49,1617.09 h15 r180; Top Pin Number "1" at 2191.47,1617.09 h15 r180
R2772: Top Pin Number "2" at 2212.49,1582.09 h15 r180; Top Pin Number "1" at 2191.47,1582.09 h15 r180
R2773: Top Pin Number "2" at 2212.49,1527.09 h15 r180; Top Pin Number "1" at 2191.47,1527.09 h15 r180
R2774: Top Pin Number "2" at 2212.49,1557.09 h15 r180; Top Pin Number "1" at 2191.47,1557.09 h15 r180
R2775: Top Pin Number "2" at 2203.71,1418.69 h15 r270; Top Pin Number "1" at 2203.71,1397.67 h15 r270
R2776: Top Pin Number "2" at 2109.6,1847.46 h15 r180; Top Pin Number "1" at 2144.38,1847.46 h15 r180
R2781: Top Pin Number "2" at 2075.71,2029.69 h15 r270; Top Pin Number "1" at 2075.71,2008.67 h15 r270
R2782: Top Pin Number "2" at 2100.71,2029.69 h15 r270; Top Pin Number "1" at 2100.71,2008.67 h15 r270
R2783: Top Pin Number "2" at 2009.89,2000.31 h15 r90; Top Pin Number "1" at 2009.89,2021.33 h15 r90
R2784: Top Pin Number "2" at 2136,1872.54 h15; Top Pin Number "1" at 2101.21,1872.54 h15
R2785: Top Pin Number "2" at 2125.71,2029.69 h15 r270; Top Pin Number "1" at 2125.71,2008.67 h15 r270
R2786: Top Pin Number "2" at 1970.71,2029.69 h15 r270; Top Pin Number "1" at 1970.71,2008.67 h15 r270
R2788: Bottom Pin Number "2" at 454.26,2187.8 h15 r270; Bottom Pin Number "1" at 454.26,2153.02 h15 r270
R2789: Bottom Pin Number "2" at 995.26,2132.8 h15 r270; Bottom Pin Number "1" at 995.26,2098.02 h15 r270
R2790: Bottom Pin Number "2" at 955.26,2132.8 h15 r270; Bottom Pin Number "1" at 955.26,2098.02 h15 r270
R2791: Bottom Pin Number "2" at 416.26,2187.8 h15 r270; Bottom Pin Number "1" at 416.26,2153.02 h15 r270
R2792: Bottom Pin Number "2" at 378.26,2187.8 h15 r270; Bottom Pin Number "1" at 378.26,2153.02 h15 r270
R2793: Bottom Pin Number "2" at 915.26,2132.8 h15 r270; Bottom Pin Number "1" at 915.26,2098.02 h15 r270
R2794: Bottom Pin Number "2" at 340.26,2187.8 h15 r270; Bottom Pin Number "1" at 340.26,2153.02 h15 r270
R2795: Bottom Pin Number "2" at 875.26,2135.8 h15 r270; Bottom Pin Number "1" at 875.26,2101.02 h15 r270
R2796: Bottom Pin Number "2" at 469.26,2201.8 h15 r90; Bottom Pin Number "1" at 469.26,2236.58 h15 r90
R2797: Bottom Pin Number "2" at 1010.26,2146.8 h15 r90; Bottom Pin Number "1" at 1010.26,2181.58 h15 r90
R2798: Bottom Pin Number "2" at 431.26,2201.8 h15 r90; Bottom Pin Number "1" at 431.26,2236.58 h15 r90
R2799: Bottom Pin Number "2" at 970.26,2146.8 h15 r90; Bottom Pin Number "1" at 970.26,2181.58 h15 r90
R2800: Bottom Pin Number "2" at 393.26,2201.8 h15 r90; Bottom Pin Number "1" at 393.26,2236.58 h15 r90
R2801: Bottom Pin Number "2" at 930.26,2146.8 h15 r90; Bottom Pin Number "1" at 930.26,2181.58 h15 r90
R2802: Bottom Pin Number "2" at 355.26,2201.8 h15 r90; Bottom Pin Number "1" at 355.26,2236.58 h15 r90
R2803: Bottom Pin Number "2" at 2205.38,2222 h15 r90; Bottom Pin Number "1" at 2205.38,2256.78 h15 r90
R2804: Bottom Pin Number "2" at 2165.38,2222 h15 r90; Bottom Pin Number "1" at 2165.38,2256.78 h15 r90
R2805: Bottom Pin Number "2" at 890.26,2149.8 h15 r90; Bottom Pin Number "1" at 890.26,2184.58 h15 r90
R2806: Bottom Pin Number "2" at 2190.22,2153 h15 r270; Bottom Pin Number "1" at 2190.22,2118.22 h15 r270
R2807: Bottom Pin Number "2" at 2150.22,2153 h15 r270; Bottom Pin Number "1" at 2150.22,2118.22 h15 r270
R2808: Bottom Pin Number "2" at 2120.22,2207 h15 r90; Bottom Pin Number "1" at 2120.22,2241.78 h15 r90
R2809: Bottom Pin Number "2" at 2068,2261.46 h15 r180; Bottom Pin Number "1" at 2033.22,2261.46 h15 r180
R2810: Bottom Pin Number "2" at 410.8,1167.5 h15 r180; Bottom Pin Number "1" at 376.02,1167.5 h15 r180
R2811: Top Pin Number "2" at 384.8,1167.5 h15 r180; Top Pin Number "1" at 419.58,1167.5 h15 r180
R2812: Bottom Pin Number "2" at 1954.6,2247.54 h15; Bottom Pin Number "1" at 1989.38,2247.54 h15
R2813: Bottom Pin Number "2" at 410.8,1209.5 h15 r180; Bottom Pin Number "1" at 376.02,1209.5 h15 r180
R2814: Top Pin Number "2" at 384.8,1209.5 h15 r180; Top Pin Number "1" at 419.58,1209.5 h15 r180
R2815: Bottom Pin Number "2" at 410.8,1249.5 h15 r180; Bottom Pin Number "1" at 376.02,1249.5 h15 r180
R2816: Top Pin Number "2" at 384.8,1249.5 h15 r180; Top Pin Number "1" at 419.58,1249.5 h15 r180
R2817: Bottom Pin Number "2" at 410.8,1292.5 h15 r180; Bottom Pin Number "1" at 376.02,1292.5 h15 r180
R2818: Top Pin Number "2" at 384.8,1292.5 h15 r180; Top Pin Number "1" at 419.58,1292.5 h15 r180
R2819: Bottom Pin Number "2" at 1915.34,2239.2 h15 r90; Bottom Pin Number "1" at 1915.34,2273.98 h15 r90
R2820: Bottom Pin Number "2" at 1875.34,2239.2 h15 r90; Bottom Pin Number "1" at 1875.34,2273.98 h15 r90
R2821: Bottom Pin Number "2" at 1835.34,2239.2 h15 r90; Bottom Pin Number "1" at 1835.34,2273.98 h15 r90
R2822: Bottom Pin Number "2" at 1952.6,2167.54 h15; Bottom Pin Number "1" at 1987.38,2167.54 h15
R2823: Bottom Pin Number "2" at 2068,2182.46 h15 r180; Bottom Pin Number "1" at 2033.22,2182.46 h15 r180
R2824: Bottom Pin Number "2" at 2105.22,2193 h15 r270; Bottom Pin Number "1" at 2105.22,2158.22 h15 r270
R2825: Bottom Pin Number "2" at 2068,2222.46 h15 r180; Bottom Pin Number "1" at 2033.22,2222.46 h15 r180
R2826: Bottom Pin Number "2" at 1952.6,2207.54 h15; Bottom Pin Number "1" at 1987.38,2207.54 h15
R2827: Bottom Pin Number "2" at 1900.22,2173 h15 r270; Bottom Pin Number "1" at 1900.22,2138.22 h15 r270
R2828: Bottom Pin Number "2" at 1860.22,2173 h15 r270; Bottom Pin Number "1" at 1860.22,2138.22 h15 r270
R2829: Bottom Pin Number "2" at 1820.22,2173 h15 r270; Bottom Pin Number "1" at 1820.22,2138.22 h15 r270
R2830: Bottom Pin Number "2" at 1859,1547.46 h15 r180; Bottom Pin Number "1" at 1824.22,1547.46 h15 r180
R2831: Top Pin Number "2" at 2195.71,1729.69 h15 r270; Top Pin Number "1" at 2195.71,1708.67 h15 r270
R2832: Bottom Pin Number "2" at 1832.6,1572.54 h15; Bottom Pin Number "1" at 1867.38,1572.54 h15
R2833: Bottom Pin Number "2" at 1832.6,1612.54 h15; Bottom Pin Number "1" at 1867.38,1612.54 h15
R2834: Bottom Pin Number "2" at 1961,1587.46 h15 r180; Bottom Pin Number "1" at 1926.22,1587.46 h15 r180
R2835: Bottom Pin Number "2" at 1934.6,1612.54 h15; Bottom Pin Number "1" at 1969.38,1612.54 h15
R2836: Bottom Pin Number "2" at 2722.76,2026.8 h15 r180; Bottom Pin Number "1" at 2687.98,2026.8 h15 r180
R2837: Bottom Pin Number "2" at 2720.26,2012.3 h15 r270; Bottom Pin Number "1" at 2720.26,1977.52 h15 r270
R2838: Bottom Pin Number "2" at 2739.6,2089.04 h15; Bottom Pin Number "1" at 2774.38,2089.04 h15
R2839: Bottom Pin Number "2" at 2727.1,2089.54 h15 r270; Bottom Pin Number "1" at 2727.1,2054.76 h15 r270
R2840: Top Pin Number "2" at 1890.71,1759.69 h15 r270; Top Pin Number "1" at 1890.71,1738.67 h15 r270
R2841: Bottom Pin Number "2" at 1961,1547.46 h15 r180; Bottom Pin Number "1" at 1926.22,1547.46 h15 r180
R2850: Bottom Pin Number "2" at 1706,1592.46 h15 r180; Bottom Pin Number "1" at 1671.22,1592.46 h15 r180
R2851: Bottom Pin Number "2" at 1780.3,2173 h15 r270; Bottom Pin Number "1" at 1780.3,2138.22 h15 r270
R2852: Bottom Pin Number "2" at 1710.71,1620.31 h15 r270; Bottom Pin Number "1" at 1710.71,1641.33 h15 r270
R2853: Bottom Pin Number "2" at 2014.4,1612.5 h15; Bottom Pin Number "1" at 2049.18,1612.5 h15
R2854: Bottom Pin Number "2" at 1795.34,2239.2 h15 r90; Bottom Pin Number "1" at 1795.34,2273.98 h15 r90
R2855: Bottom Pin Number "2" at 2014.4,1572.5 h15; Bottom Pin Number "1" at 2049.18,1572.5 h15
R2856: Bottom Pin Number "2" at 1520.71,1610.31 h15 r270; Bottom Pin Number "1" at 1520.71,1631.33 h15 r270
R2857: Bottom Pin Number "2" at 1495.71,1610.31 h15 r270; Bottom Pin Number "1" at 1495.71,1631.33 h15 r270
R2858: Bottom Pin Number "2" at 1799.89,1527.73 h15 r90; Bottom Pin Number "1" at 1799.89,1506.71 h15 r90
R2859: Bottom Pin Number "2" at 2078.11,1587.09 h15 r180; Bottom Pin Number "1" at 2099.13,1587.09 h15 r180
R2860: Bottom Pin Number "2" at 2376.8,1936.04 h15; Bottom Pin Number "1" at 2411.58,1936.04 h15
R2861: Bottom Pin Number "2" at 1445.71,1610.31 h15 r270; Bottom Pin Number "1" at 1445.71,1631.33 h15 r270
R2862: Bottom Pin Number "2" at 1752.49,2312.91 h15; Bottom Pin Number "1" at 1731.47,2312.91 h15
R2863: Bottom Pin Number "2" at 1774.89,1527.73 h15 r90; Bottom Pin Number "1" at 1774.89,1506.71 h15 r90
R2864: Bottom Pin Number "2" at 1470.71,1610.31 h15 r270; Bottom Pin Number "1" at 1470.71,1631.33 h15 r270
R2865: Bottom Pin Number "2" at 1662.11,1661.09 h15 r180; Bottom Pin Number "1" at 1683.13,1661.09 h15 r180
R2866: Bottom Pin Number "2" at 1589.3,1622 h15 r90; Bottom Pin Number "1" at 1589.3,1656.78 h15 r90
R2867: Bottom Pin Number "2" at 1629.3,1622 h15 r90; Bottom Pin Number "1" at 1629.3,1656.78 h15 r90
R2868: Bottom Pin Number "2" at 1635.71,2135.31 h15 r270; Bottom Pin Number "1" at 1635.71,2156.33 h15 r270
R2870: Bottom Pin Number "2" at 1555.3,1552 h15 r270; Bottom Pin Number "1" at 1555.3,1517.22 h15 r270
R2871: Bottom Pin Number "2" at 1595.3,1552 h15 r270; Bottom Pin Number "1" at 1595.3,1517.22 h15 r270
R2873: Top Pin Number "2" at 2370.71,1784.69 h15 r270; Top Pin Number "1" at 2370.71,1763.67 h15 r270
R2874: Top Pin Number "2" at 1177.91,2454.69 h15 r270; Top Pin Number "1" at 1177.91,2433.67 h15 r270
R2875: Bottom Pin Number "2" at 1101,2516.46 h15 r180; Bottom Pin Number "1" at 1066.22,2516.46 h15 r180
R2876: Bottom Pin Number "2" at 1176,2516.46 h15 r180; Bottom Pin Number "1" at 1141.22,2516.46 h15 r180
R2877: Top Pin Number "2" at 370.34,2407.42 h15 r180; Top Pin Number "1" at 405.12,2407.42 h15 r180
R2878: Top Pin Number "2" at 395.84,2404.92 h15 r270; Top Pin Number "1" at 395.84,2439.71 h15 r270
R2881: Bottom Pin Number "2" at 747.49,2137.91 h15; Bottom Pin Number "1" at 726.47,2137.91 h15
R2882: Bottom Pin Number "2" at 747.49,2177.91 h15; Bottom Pin Number "1" at 726.47,2177.91 h15
R2883: Bottom Pin Number "2" at 667.49,2152.91 h15; Bottom Pin Number "1" at 646.47,2152.91 h15
R2884: Bottom Pin Number "2" at 667.49,2177.91 h15; Bottom Pin Number "1" at 646.47,2177.91 h15
R2885: Top Pin Number "2" at 1693.11,2137.91 h15; Top Pin Number "1" at 1714.13,2137.91 h15
R2887: Top Pin Number "2" at 1772.89,2124.31 h15 r90; Top Pin Number "1" at 1772.89,2145.33 h15 r90
R2888: Top Pin Number "2" at 1749.89,2124.31 h15 r90; Top Pin Number "1" at 1749.89,2145.33 h15 r90
R2889: Top Pin Number "2" at 1877.91,2179.69 h15 r270; Top Pin Number "1" at 1877.91,2158.67 h15 r270
R2890: Top Pin Number "2" at 2191,2242.54 h15; Top Pin Number "1" at 2156.21,2242.54 h15
R2891: Top Pin Number "2" at 1844.89,2158.81 h15 r90; Top Pin Number "1" at 1844.89,2179.83 h15 r90
R2892: Top Pin Number "2" at 1763.11,2176.91 h15; Top Pin Number "1" at 1784.13,2176.91 h15
R2893: Top Pin Number "2" at 1805.71,2209.2 h15 r270; Top Pin Number "1" at 1805.71,2188.18 h15 r270
R2894: Top Pin Number "2" at 1869.89,2158.81 h15 r90; Top Pin Number "1" at 1869.89,2179.83 h15 r90
R2895: Top Pin Number "2" at 3833.11,1882.91 h15; Top Pin Number "1" at 3854.13,1882.91 h15
R2896: Bottom Pin Number "2" at 3324.31,1707.02 h15 r180; Bottom Pin Number "1" at 3345.33,1707.02 h15 r180
R2897: Bottom Pin Number "2" at 3335.52,1675.69 h15 r90; Bottom Pin Number "1" at 3335.52,1654.67 h15 r90
R2898: Bottom Pin Number "2" at 3301.85,1570.35 h15 r270; Bottom Pin Number "1" at 3301.85,1591.37 h15 r270
R2899: Bottom Pin Number "2" at 3351.34,1646.31 h15 r270; Bottom Pin Number "1" at 3351.34,1667.33 h15 r270
R2900: Top Pin Number "2" at 3385.31,1392.91 h15; Top Pin Number "1" at 3406.33,1392.91 h15
R2901: Bottom Pin Number "2" at 3333.74,1602.64 h15 r180; Bottom Pin Number "1" at 3354.76,1602.64 h15 r180
R2902: Top Pin Number "2" at 3445.71,1779.69 h15 r270; Top Pin Number "1" at 3445.71,1758.67 h15 r270
R2903: Bottom Pin Number "2" at 3318.74,1347.09 h15 r180; Bottom Pin Number "1" at 3339.76,1347.09 h15 r180
R2904: Top Pin Number "2" at 3470.71,1779.69 h15 r270; Top Pin Number "1" at 3470.71,1758.67 h15 r270
R2905: Top Pin Number "2" at 3385.31,1342.91 h15; Top Pin Number "1" at 3406.33,1342.91 h15
R2906: Top Pin Number "2" at 3864.89,1835.31 h15 r90; Top Pin Number "1" at 3864.89,1856.33 h15 r90
R2907: Top Pin Number "2" at 3864.89,1765.31 h15 r90; Top Pin Number "1" at 3864.89,1786.33 h15 r90
R2908: Top Pin Number "2" at 3839.89,1765.31 h15 r90; Top Pin Number "1" at 3839.89,1786.33 h15 r90
R2909: Top Pin Number "2" at 3839.89,1835.31 h15 r90; Top Pin Number "1" at 3839.89,1856.33 h15 r90
R2910: Bottom Pin Number "2" at 1059.6,222.54 h15; Bottom Pin Number "1" at 1094.38,222.54 h15
R2911: Bottom Pin Number "2" at 1044.6,437.54 h15; Bottom Pin Number "1" at 1079.38,437.54 h15
R2912: Bottom Pin Number "2" at 799.6,222.54 h15; Bottom Pin Number "1" at 834.38,222.54 h15
R2913: Bottom Pin Number "2" at 809.6,432.54 h15; Bottom Pin Number "1" at 844.38,432.54 h15
R2914: Top Pin Number "2" at 3235.2,2224.18 h15 r270; Top Pin Number "1" at 3235.2,2203.16 h15 r270
R2915: Top Pin Number "2" at 3100.71,2222.69 h15 r270; Top Pin Number "1" at 3100.71,2201.67 h15 r270
R2916: Top Pin Number "2" at 273.11,1557.91 h15; Top Pin Number "1" at 294.13,1557.91 h15
R2917: Top Pin Number "2" at 302.49,1522.09 h15 r180; Top Pin Number "1" at 281.47,1522.09 h15 r180
R2918: Top Pin Number "2" at 1540.71,1979.69 h15 r270; Top Pin Number "1" at 1540.71,1958.67 h15 r270
R2919: Top Pin Number "2" at 1497.49,1949.09 h15 r180; Top Pin Number "1" at 1476.47,1949.09 h15 r180
R2922: Top Pin Number "2" at 2286.71,1028.69 h15 r270; Top Pin Number "1" at 2286.71,1007.67 h15 r270
R2923: Top Pin Number "2" at 2350.71,1028.69 h15 r270; Top Pin Number "1" at 2350.71,1007.67 h15 r270
R2924: Top Pin Number "2" at 3289.6,1342.46 h15 r180; Top Pin Number "1" at 3324.38,1342.46 h15 r180
R2925: Top Pin Number "2" at 3517.46,1373.2 h15 r90; Top Pin Number "1" at 3517.46,1338.41 h15 r90
R2926: Top Pin Number "2" at 3920.7,1687.38 h15; Top Pin Number "1" at 3869.52,1687.38 h15
R2927: Top Pin Number "2" at 3906,1457.54 h15; Top Pin Number "1" at 3871.21,1457.54 h15
R2928: Bottom Pin Number "2" at 3677.49,1757.91 h15; Bottom Pin Number "1" at 3656.47,1757.91 h15
R2929: Top Pin Number "2" at 3906,1417.54 h15; Top Pin Number "1" at 3871.21,1417.54 h15
R2930: Top Pin Number "2" at 3884.9,1637.62 h15 r180; Top Pin Number "1" at 3936.08,1637.62 h15 r180
R2931: Bottom Pin Number "2" at 3677.49,1782.91 h15; Bottom Pin Number "1" at 3656.47,1782.91 h15
R2932: Bottom Pin Number "2" at 3648.11,1822.09 h15 r180; Bottom Pin Number "1" at 3669.13,1822.09 h15 r180
R2933: Top Pin Number "2" at 311.11,792.91 h15; Top Pin Number "1" at 332.13,792.91 h15
R2934: Bottom Pin Number "2" at 650.2,565.82 h15 r270; Bottom Pin Number "1" at 650.2,586.84 h15 r270
R2935: Bottom Pin Number "2" at 626.22,565.82 h15 r270; Bottom Pin Number "1" at 626.22,586.84 h15 r270
R2936: Top Pin Number "2" at 415.71,959.69 h15 r270; Top Pin Number "1" at 415.71,938.67 h15 r270
R2937: Top Pin Number "2" at 311.11,842.91 h15; Top Pin Number "1" at 332.13,842.91 h15
R2938: Top Pin Number "2" at 311.11,817.91 h15; Top Pin Number "1" at 332.13,817.91 h15
R2939: Top Pin Number "1" at 600.8,802.5 h15; Top Pin Number "2" at 659.01,802.5 h15; Top Pin Number "2" at 664.01,810 h0.01; Top Pin Number "1" at 602.59,810 h0.01
R2940: Bottom Pin Number "1" at 600.81,817.5 h15 r180; Bottom Pin Number "2" at 659.01,817.5 h15 r180; Bottom Pin Number "2" at 664.01,810 h0.01 r180; Bottom Pin Number "1" at 602.59,810 h0.01 r180
R2941: Bottom Pin Number "2" at 1016.36,1125.77 h15 r90; Bottom Pin Number "1" at 1016.36,1104.75 h15 r90
R2942: Bottom Pin Number "2" at 1149.89,839.69 h15 r90; Bottom Pin Number "1" at 1149.89,818.67 h15 r90
R2943: Bottom Pin Number "2" at 2742.49,1727.91 h15; Bottom Pin Number "1" at 2721.47,1727.91 h15
R2945: Bottom Pin Number "2" at 2555.71,1745.31 h15 r270; Bottom Pin Number "1" at 2555.71,1766.33 h15 r270